# Altium PCB Digitalizador_RPi.PcbDoc (part 3 of 3)
Units mm, origin at the board's own origin, x right, y up, seen from the top; angles counter-clockwise.
Board outline 147 x 95 mm, 2 copper layers (Top Layer, Bottom Layer); 227 components, 173 nets, 747 pads, 172 vias.
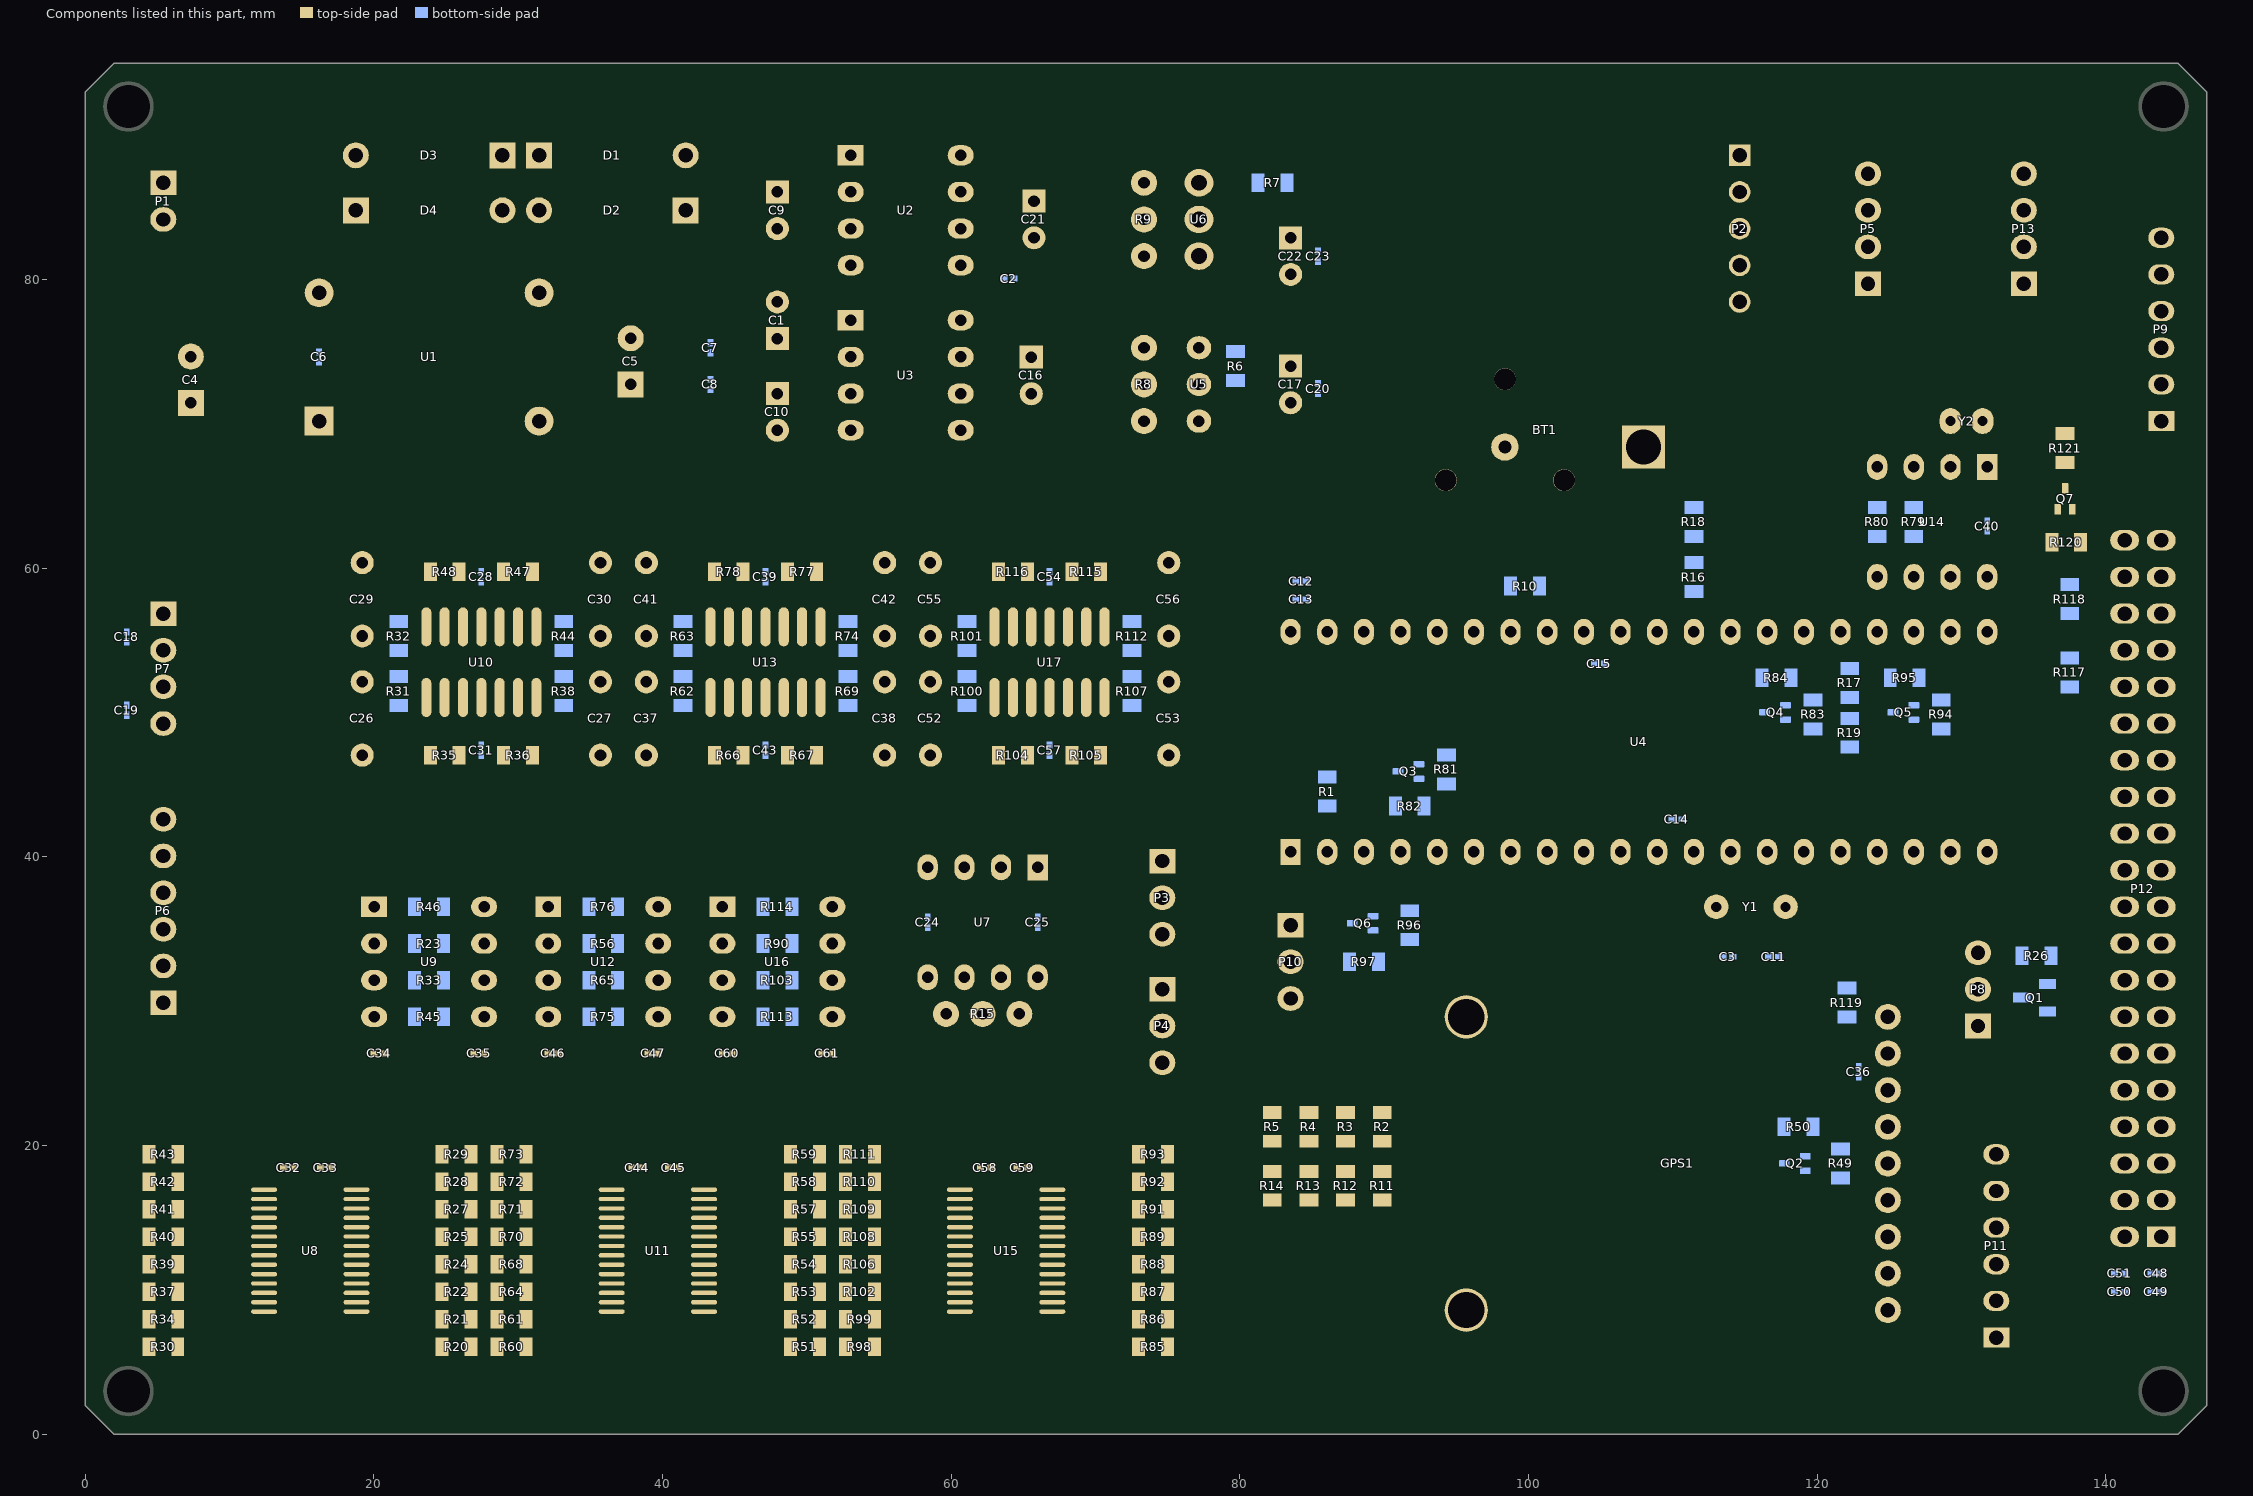
[diagram p3: the components of this part, seen from the top]

## Via types
v1: diameter 0.7, hole 0.3, Top Layer to Bottom Layer, 172 vias

## Nets (pads, with @x,y where several pads share a name; then routed paths per layer and width w, separated by ;. In a path a pad name is that pad's centre, name@x,y a point inside that pad or via, vN(x,y) a via of type N, cw(c..) or ccw(c..) an arc to the next point about the centre after c; other vN are vias at no path point) (continued)
pads on no net: BT1.2 BT1.3 BT1.4 GPS1.5 GPS1.6 GPS1.8 GPS1.9 GPS1.10 P3.1 P4.1 P8.3 P9.6 P10.3 P12.7 P12.12 P12.13 P12.15 P12.16 P12.18 P12.22 P12.26 P12.27 P12.28 P12.29 P12.31 P12.33 P12.35 P12.37 Q2.0 Q3.0 Q4.0 Q5.0 Q6.0 Q7.0 R8.2 R9.2 U2.1 U2.6 U2.7 U3.1 U3.6 U3.7 U4.10 U7.5 U7.6 U7.7 U8.2 U8.3 U8.13 U11.2 U11.3 U11.13 U15.2 U15.3 U15.13
copper on no net: | length 2272
  Top Layer w0.038: 88.093,83.535 90.455,83.535 ; 88.093,83.573 90.455,83.573 ; 88.093,83.611 90.455,83.611 ; 88.093,83.649 90.455,83.649 ; 88.093,83.687 90.455,83.687 ; 88.093,83.725 90.455,83.725 ; 88.093,83.764 90.455,83.764 ; 88.093,83.802 90.455,83.802 ; 88.093,83.84 90.455,83.84 ; 88.093,83.878 90.455,83.878 ; 88.093,83.916 90.455,83.916 ; 88.093,83.954 88.397,83.954 ; 88.093,83.992 88.359,83.992 ; 88.093,84.03 88.359,84.03 ; 88.093,84.068 88.359,84.068 ; 88.093,84.106 88.359,84.106 ; 88.093,84.145 90.455,84.145 ; 88.093,84.183 88.855,84.183 ; 88.093,84.221 88.816,84.221 ; 88.093,89.745 88.131,89.745 ; 88.093,89.783 88.131,89.783 ; 88.093,89.821 88.131,89.821 ; 88.093,89.86 88.131,89.86 ; 88.093,89.898 88.169,89.898 ; 88.093,89.936 88.131,89.936 ; 88.093,89.974 88.131,89.974 ; 88.093,90.012 92.512,90.012 ; 88.093,90.05 92.512,90.05 ; 88.093,90.088 94.531,90.088 ; 88.093,90.126 94.531,90.126 ; 88.093,90.164 94.493,90.164 ; 88.093,90.202 94.455,90.202 ; 88.093,90.241 94.417,90.241 ; 88.093,90.279 94.379,90.279 ; 88.093,90.317 94.341,90.317 ; 88.093,90.355 94.303,90.355 ; 88.093,90.393 94.265,90.393 ; 88.093,90.431 94.227,90.431 ; 88.093,90.469 94.15,90.469 ; 88.093,90.507 94.112,90.507 ; 88.093,90.545 94.074,90.545 ; 88.093,90.583 93.998,90.583 ; 88.093,90.622 93.922,90.622 ; 88.093,90.66 93.846,90.66 ; 88.093,90.698 93.769,90.698 ; 88.093,90.736 93.693,90.736 ; 88.093,90.774 93.579,90.774 ; 88.093,90.812 93.465,90.812 ; 88.093,90.85 93.274,90.85 ; 88.093,90.888 93.16,90.888 ; 88.093,90.926 92.855,90.926 ; 88.093,90.964 92.55,90.964 ; 88.169,84.259 88.816,84.259 ; 88.207,84.297 88.855,84.297 ; 88.207,89.898 88.359,89.898 ; 88.207,89.936 88.359,89.936 ; 88.207,89.974 88.588,89.974 ; 88.245,84.335 88.855,84.335 ; 88.245,89.783 88.359,89.783 ; 88.245,89.821 88.359,89.821 ; 88.245,89.86 88.359,89.86 ; 88.321,84.373 88.816,84.373 ; 88.321,84.868 88.588,84.868 ; 88.321,84.907 88.626,84.907 ; 88.359,84.602 88.588,84.602 ; 88.359,84.64 88.588,84.64 ; 88.359,84.945 88.626,84.945 ; 88.397,84.106 90.455,84.106 ; 88.397,84.411 88.816,84.411 ; 88.397,84.83 88.588,84.83 ; 88.397,84.983 88.588,84.983 ; 88.397,89.86 88.55,89.86 ; 88.397,89.898 88.588,89.898 ; 88.397,89.936 88.588,89.936 ; 88.435,83.954 90.455,83.954 ; 88.435,83.992 90.455,83.992 ; 88.435,84.03 90.455,84.03 ; 88.435,84.068 90.455,84.068 ; 88.435,84.449 88.778,84.449 ; 88.435,84.487 88.588,84.487 ; 88.435,84.526 88.626,84.526 ; 88.435,84.564 88.626,84.564 ; 88.435,84.678 88.626,84.678 ; 88.435,84.716 88.626,84.716 ; 88.435,84.754 88.626,84.754 ; 88.435,84.792 88.588,84.792 ; 88.435,89.174 88.626,89.174 ; 88.435,89.212 88.626,89.212 ; 88.435,89.25 88.588,89.25 ; 88.435,89.288 88.588,89.288 ; 88.435,89.326 88.626,89.326 ; 88.435,89.364 88.626,89.364 ; 88.435,89.402 88.588,89.402 ; 88.435,89.44 88.588,89.44 ; 88.435,89.479 88.626,89.479 ; 88.435,89.517 88.626,89.517 ; 88.435,89.555 88.626,89.555 ; 88.435,89.593 88.626,89.593 ; 88.435,89.631 88.626,89.631 ; 88.435,89.669 88.588,89.669 ; 88.435,89.707 88.588,89.707 ; 88.435,89.745 89.769,89.745 ; 88.435,89.783 88.588,89.783 ; 88.435,89.821 88.55,89.821 ; 88.474,85.021 88.512,85.021 ; 88.474,89.098 88.512,89.098 ; 88.474,89.136 88.588,89.136 ; 88.626,84.487 88.702,84.487 ; 88.626,89.669 88.702,89.669 ; 88.626,89.707 88.778,89.707 ; 88.626,89.783 89.769,89.783 ; 88.626,89.821 89.769,89.821 ; 88.664,89.86 89.502,89.86 ; 88.664,89.898 89.502,89.898 ; 88.664,89.936 90.455,89.936 ; 88.664,89.974 91.026,89.974 ; 88.816,89.669 89.769,89.669 ; 88.816,89.707 89.769,89.707 ; 88.855,89.631 89.007,89.631 ; 88.893,84.183 90.34,84.183 ; 88.893,84.221 89.769,84.221 ; 88.893,84.259 89.769,84.259 ; 88.893,84.297 89.769,84.297 ; 88.893,89.288 89.464,89.288 ; 88.893,89.326 89.464,89.326 ; 88.893,89.364 89.464,89.364 ; 88.931,84.335 89.769,84.335 ; 88.969,89.25 89.464,89.25 ; 89.007,84.373 89.54,84.373 ; 89.007,89.212 89.464,89.212 ; 89.045,84.411 89.197,84.411 ; 89.045,89.174 89.464,89.174 ; 89.045,89.402 89.464,89.402 ; 89.045,89.44 89.617,89.44 ; 89.045,89.479 89.617,89.479 ; 89.045,89.517 89.578,89.517 ; 89.045,89.555 89.54,89.555 ; 89.045,89.593 90.112,89.593 ; 89.045,89.631 89.769,89.631 ; 89.083,84.449 89.121,84.449 ; 89.083,89.136 89.464,89.136 ; 89.121,88.907 89.502,88.907 ; 89.159,88.869 89.274,88.869 ; 89.159,89.098 89.464,89.098 ; 89.197,88.945 89.502,88.945 ; 89.236,84.411 89.502,84.411 ; 89.236,84.449 89.464,84.449 ; 89.236,84.487 89.502,84.487 ; 89.236,84.526 89.769,84.526 ; 89.236,84.564 89.769,84.564 ; 89.236,88.983 89.502,88.983 ; 89.236,89.021 89.464,89.021 ; 89.236,89.059 89.464,89.059 ; 89.274,84.602 89.35,84.602 ; 89.274,88.793 89.464,88.793 ; 89.274,88.831 89.464,88.831 ; 89.312,88.755 89.426,88.755 ; 89.312,88.869 89.502,88.869 ; 89.35,88.717 89.388,88.717 ; 89.388,84.602 89.578,84.602 ; 89.426,84.64 89.578,84.64 ; 89.54,84.487 89.578,84.487 ; 89.54,89.402 89.617,89.402 ; 89.578,84.373 89.769,84.373 ; 89.578,89.86 89.731,89.86 ; 89.578,89.898 89.731,89.898 ; 89.617,84.411 89.769,84.411 ; 89.617,84.449 89.769,84.449 ; 89.617,84.487 89.769,84.487 ; 89.617,84.602 89.769,84.602 ; 89.617,84.64 89.769,84.64 ; 89.617,84.678 89.769,84.678 ; 89.617,84.716 89.769,84.716 ; 89.617,84.754 89.769,84.754 ; 89.617,89.555 89.769,89.555 ; 89.655,84.792 89.769,84.792 ; 89.655,84.83 89.769,84.83 ; 89.655,89.517 89.731,89.517 ; 89.693,84.868 89.769,84.868 ; 89.693,84.907 89.769,84.907 ; 89.807,84.221 90.34,84.221 ; 89.807,88.64 89.959,88.64 ; 89.807,88.678 89.998,88.678 ; 89.807,88.717 89.998,88.717 ; 89.807,88.755 90.036,88.755 ; 89.807,88.869 90.036,88.869 ; 89.807,88.907 90.036,88.907 ; 89.807,89.631 90.15,89.631 ; 89.807,89.669 90.15,89.669 ; 89.807,89.707 90.188,89.707 ; 89.807,89.745 90.226,89.745 ; 89.807,89.783 90.264,89.783 ; 89.807,89.821 90.264,89.821 ; 89.807,89.86 90.264,89.86 ; 89.807,89.898 90.455,89.898 ; 89.845,84.259 90.34,84.259 ; 89.845,84.297 90.302,84.297 ; 89.845,88.793 90.036,88.793 ; 89.845,88.831 90.036,88.831 ; 89.845,88.945 90.074,88.945 ; 89.845,88.983 90.074,88.983 ; 89.845,89.021 90.074,89.021 ; 89.845,89.059 90.074,89.059 ; 89.845,89.098 90.074,89.098 ; 89.845,89.288 90.074,89.288 ; 89.845,89.326 90.074,89.326 ; 89.845,89.364 90.074,89.364 ; 89.845,89.402 90.074,89.402 ; 89.845,89.44 90.074,89.44 ; 89.845,89.479 90.074,89.479 ; 89.845,89.517 90.112,89.517 ; 89.845,89.555 90.112,89.555 ; 89.883,84.335 90.34,84.335 ; 89.883,84.373 90.34,84.373 ; 89.883,84.411 90.34,84.411 ; 89.883,84.449 90.34,84.449 ; 89.883,84.487 90.34,84.487 ; 89.883,84.526 90.074,84.526 ; 89.883,84.564 90.074,84.564 ; 89.883,84.602 90.112,84.602 ; 89.883,84.64 90.112,84.64 ; 89.883,84.678 90.112,84.678 ; 89.883,84.716 90.112,84.716 ; 89.883,89.136 90.074,89.136 ; 89.883,89.174 90.074,89.174 ; 89.883,89.212 90.074,89.212 ; 89.883,89.25 90.074,89.25 ; 89.921,84.754 90.112,84.754 ; 89.921,84.792 90.074,84.792 ; 90.112,84.526 90.34,84.526 ; 90.112,84.564 90.302,84.564 ; 90.15,84.602 90.264,84.602 ; 90.15,84.64 90.264,84.64 ; 90.302,89.86 90.417,89.86 ; 90.455,87.764 91.864,87.764 ; 90.455,87.802 92.131,87.802 ; 90.455,87.84 92.245,87.84 ; 90.455,87.878 92.322,87.878 ; 90.455,87.916 92.398,87.916 ; 90.455,87.955 92.436,87.955 ; 90.455,87.993 92.474,87.993 ; 90.455,88.031 92.512,88.031 ; 90.455,88.069 92.55,88.069 ; 90.455,88.107 92.588,88.107 ; 90.455,88.145 92.588,88.145 ; 90.455,88.183 92.588,88.183 ; 90.455,88.221 92.626,88.221 ; 90.455,88.259 92.626,88.259 ; 90.455,88.297 92.284,88.297 ; 90.455,88.336 92.245,88.336 ; 90.455,88.374 92.207,88.374 ; 90.455,88.412 92.207,88.412 ; 90.455,88.45 92.207,88.45 ; 90.455,88.488 92.207,88.488 ; 90.455,88.526 92.207,88.526 ; 90.455,88.564 92.207,88.564 ; 90.455,88.602 92.207,88.602 ; 90.455,88.64 92.207,88.64 ; 90.455,88.678 92.207,88.678 ; 90.455,88.717 92.017,88.717 ; 90.455,88.755 91.979,88.755 ; 90.455,88.793 91.979,88.793 ; 90.455,88.831 91.979,88.831 ; 90.455,88.869 91.979,88.869 ; 90.455,88.907 91.979,88.907 ; 90.455,88.945 91.979,88.945 ; 90.455,88.983 91.979,88.983 ; 90.455,89.021 91.979,89.021 ; 90.455,89.059 92.017,89.059 ; 90.455,89.098 92.017,89.098 ; 90.455,89.136 91.979,89.136 ; 90.455,89.174 92.36,89.174 ; 90.493,89.898 90.95,89.898 ; 90.493,89.936 91.026,89.936 ; 90.531,89.783 90.912,89.783 ; 90.531,89.821 90.912,89.821 ; 90.531,89.86 90.95,89.86 ; 90.569,89.745 90.874,89.745 ; 90.721,89.669 90.798,89.669 ; 90.721,89.707 90.836,89.707 ; 91.293,89.783 91.941,89.783 ; 91.293,89.936 91.369,89.936 ; 91.293,89.974 91.407,89.974 ; 91.331,89.821 91.979,89.821 ; 91.369,89.745 91.598,89.745 ; 91.369,89.86 92.512,89.86 ; 91.407,89.898 92.512,89.898 ; 91.445,89.936 92.512,89.936 ; 91.445,89.974 92.512,89.974 ; 91.483,89.669 91.56,89.669 ; 91.483,89.707 91.56,89.707 ; 91.636,89.707 91.903,89.707 ; 91.636,89.745 91.903,89.745 ; 91.674,89.631 91.941,89.631 ; 91.674,89.669 91.941,89.669 ; 91.712,89.593 91.864,89.593 ; 91.941,89.555 92.398,89.555 ; 91.979,89.212 92.36,89.212 ; 91.979,89.25 92.36,89.25 ; 91.979,89.44 92.36,89.44 ; 91.979,89.517 92.398,89.517 ; 91.979,89.593 92.36,89.593 ; 91.979,89.745 92.398,89.745 ; 92.017,89.288 92.169,89.288 ; 92.017,89.326 92.169,89.326 ; 92.017,89.364 92.36,89.364 ; 92.017,89.402 92.36,89.402 ; 92.017,89.479 92.36,89.479 ; 92.017,89.631 93.122,89.631 ; 92.017,89.669 93.16,89.669 ; 92.017,89.707 92.512,89.707 ; 92.017,89.783 92.474,89.783 ; 92.017,89.821 92.474,89.821 ; 92.055,88.717 92.245,88.717 ; 92.093,88.755 92.245,88.755 ; 92.093,88.793 92.245,88.793 ; 92.093,89.136 92.36,89.136 ; 92.131,88.831 92.245,88.831 ; 92.169,88.869 92.245,88.869 ; 92.207,89.288 92.36,89.288 ; 92.207,89.326 92.36,89.326 ; 92.245,89.098 92.36,89.098 ; 92.322,89.059 92.36,89.059 ; 92.36,88.297 92.626,88.297 ; 92.36,88.793 92.588,88.793 ; 92.36,88.831 92.588,88.831 ; 92.36,88.869 92.55,88.869 ; 92.36,88.907 92.512,88.907 ; 92.36,88.945 92.512,88.945 ; 92.36,88.983 92.474,88.983 ; 92.36,89.021 92.436,89.021 ; 92.398,88.336 92.665,88.336 ; 92.398,88.374 92.665,88.374 ; 92.398,88.412 92.665,88.412 ; 92.398,88.45 92.665,88.45 ; 92.398,88.488 92.665,88.488 ; 92.398,88.526 92.665,88.526 ; 92.398,88.564 92.665,88.564 ; 92.398,88.602 92.665,88.602 ; 92.398,88.64 92.665,88.64 ; 92.398,88.678 92.626,88.678 ; 92.398,88.717 92.626,88.717 ; 92.398,88.755 92.626,88.755 ; 92.436,89.593 93.122,89.593 ; 92.436,89.745 92.474,89.745 ; 92.55,89.86 94.722,89.86 ; 92.55,89.898 94.684,89.898 ; 92.55,90.05 94.57,90.05 ; 92.588,84.221 94.951,84.221 ; 92.588,84.259 94.951,84.259 ; 92.588,84.297 93.465,84.297 ; 92.588,84.335 93.388,84.335 ; 92.588,84.373 93.198,84.373 ; 92.588,84.411 93.236,84.411 ; 92.588,84.449 93.16,84.449 ; 92.588,85.326 92.779,85.326 ; 92.588,85.364 92.779,85.364 ; 92.588,85.402 92.779,85.402 ; 92.588,85.44 92.779,85.44 ; 92.588,85.478 92.741,85.478 ; 92.588,85.516 92.741,85.516 ; 92.588,89.821 94.722,89.821 ; 92.588,89.936 94.646,89.936 ; 92.588,90.012 92.665,90.012 ; 92.626,83.878 94.989,83.878 ; 92.626,83.916 94.989,83.916 ; 92.626,83.954 94.989,83.954 ; 92.626,83.992 94.951,83.992 ; 92.626,84.03 94.951,84.03 ; 92.626,84.068 94.951,84.068 ; 92.626,84.106 94.951,84.106 ; 92.626,84.145 94.951,84.145 ; 92.626,84.183 94.951,84.183 ; 92.626,85.288 92.779,85.288 ; 92.626,85.554 92.741,85.554 ; 92.626,89.707 93.198,89.707 ; 92.626,89.783 94.722,89.783 ; 92.665,83.649 95.179,83.649 ; 92.665,83.687 95.179,83.687 ; 92.665,83.725 95.179,83.725 ; 92.665,83.764 95.141,83.764 ; 92.665,83.802 95.027,83.802 ; 92.665,83.84 94.989,83.84 ; 92.665,84.487 93.122,84.487 ; 92.665,84.526 93.084,84.526 ; 92.665,84.564 93.046,84.564 ; 92.665,84.602 92.779,84.602 ; 92.665,84.64 92.779,84.64 ; 92.665,84.678 92.779,84.678 ; 92.665,84.716 92.779,84.716 ; 92.665,84.754 92.779,84.754 ; 92.665,84.792 92.779,84.792 ; 92.665,84.83 92.779,84.83 ; 92.665,84.868 92.779,84.868 ; 92.665,84.907 92.817,84.907 ; 92.665,84.945 92.817,84.945 ; 92.665,84.983 92.817,84.983 ; 92.665,85.021 92.817,85.021 ; 92.665,85.059 92.817,85.059 ; 92.665,85.097 92.817,85.097 ; 92.665,85.135 92.817,85.135 ; 92.665,85.173 92.817,85.173 ; 92.665,85.211 92.779,85.211 ; 92.665,85.249 92.779,85.249 ; 92.665,89.745 94.76,89.745 ; 92.703,83.535 95.179,83.535 ; 92.703,83.573 95.179,83.573 ; 92.703,83.611 95.179,83.611 ; 92.703,89.136 93.122,89.136 ; 92.703,89.174 93.122,89.174 ; 92.703,89.212 93.122,89.212 ; 92.703,89.25 93.16,89.25 ; 92.741,88.869 92.855,88.869 ; 92.741,88.907 92.893,88.907 ; 92.741,88.945 92.893,88.945 ; 92.741,88.983 93.122,88.983 ; 92.741,89.021 93.122,89.021 ; 92.741,89.059 93.122,89.059 ; 92.741,89.098 93.122,89.098 ; 92.741,89.288 93.16,89.288 ; 92.741,89.326 93.16,89.326 ; 92.741,89.364 93.122,89.364 ; 92.741,89.402 93.122,89.402 ; 92.741,89.44 93.122,89.44 ; 92.741,89.479 93.122,89.479 ; 92.741,89.517 93.122,89.517 ; 92.741,89.555 93.122,89.555 ; 92.741,89.974 94.646,89.974 ; 92.741,90.012 94.608,90.012 ; 92.779,88.831 92.817,88.831 ; 92.817,84.602 93.046,84.602 ; 92.817,84.64 93.046,84.64 ; 92.817,84.678 93.046,84.678 ; 92.855,84.716 93.122,84.716 ; 92.855,84.754 93.198,84.754 ; 92.855,84.792 93.236,84.792 ; 92.893,84.83 93.198,84.83 ; 92.893,84.868 93.16,84.868 ; 92.893,84.907 93.122,84.907 ; 92.931,84.945 93.046,84.945 ; 92.931,84.983 93.046,84.983 ; 92.931,85.021 93.046,85.021 ; 92.931,85.059 93.046,85.059 ; 92.931,88.793 93.122,88.793 ; 92.931,88.831 93.122,88.831 ; 92.931,88.869 93.122,88.869 ; 92.931,88.907 93.122,88.907 ; 92.931,88.945 93.122,88.945 ; 92.969,85.097 93.046,85.097 ; 92.969,85.135 93.007,85.135 ; 92.969,87.878 93.046,87.878 ; 92.969,87.916 93.046,87.916 ; 92.969,87.955 93.046,87.955 ; 92.969,87.993 93.084,87.993 ; 92.969,88.031 93.084,88.031 ; 92.969,88.069 93.084,88.069 ; 92.969,88.107 93.084,88.107 ; 92.969,88.145 93.122,88.145 ; 92.969,88.183 93.122,88.183 ; 92.969,88.221 93.122,88.221 ; 92.969,88.259 93.122,88.259 ; 92.969,88.297 93.16,88.297 ; 92.969,88.336 93.16,88.336 ; 92.969,88.374 93.16,88.374 ; 92.969,88.412 93.16,88.412 ; 92.969,88.45 93.16,88.45 ; 92.969,88.488 93.16,88.488 ; 92.969,88.526 93.16,88.526 ; 92.969,88.564 93.16,88.564 ; 92.969,88.602 93.16,88.602 ; 92.969,88.64 93.16,88.64 ; 92.969,88.678 93.16,88.678 ; 92.969,88.717 93.16,88.717 ; 92.969,88.755 93.122,88.755 ; 93.007,87.84 93.046,87.84 ; 93.16,88.983 94.912,88.983 ; 93.16,89.021 94.912,89.021 ; 93.16,89.059 94.912,89.059 ; 93.16,89.098 94.912,89.098 ; 93.198,88.945 94.15,88.945 ; 93.198,89.136 94.912,89.136 ; 93.198,89.593 94.836,89.593 ; 93.236,88.678 94.074,88.678 ; 93.236,88.717 94.074,88.717 ; 93.236,88.907 94.112,88.907 ; 93.236,89.631 94.798,89.631 ; 93.236,89.669 94.798,89.669 ; 93.236,89.707 94.76,89.707 ; 93.274,88.64 94.074,88.64 ; 93.274,88.869 94.074,88.869 ; 93.274,89.174 94.912,89.174 ; 93.274,89.555 94.836,89.555 ; 93.312,88.602 94.112,88.602 ; 93.312,88.755 94.074,88.755 ; 93.312,89.212 94.912,89.212 ; 93.312,89.25 94.912,89.25 ; 93.312,89.288 94.912,89.288 ; 93.312,89.326 94.874,89.326 ; 93.312,89.479 94.836,89.479 ; 93.312,89.517 94.836,89.517 ; 93.35,88.564 94.112,88.564 ; 93.35,88.793 94.074,88.793 ; 93.35,88.831 94.074,88.831 ; 93.35,89.364 94.874,89.364 ; 93.35,89.402 94.874,89.402 ; 93.35,89.44 94.874,89.44 ; 93.388,88.488 94.417,88.488 ; 93.388,88.526 94.417,88.526 ; 93.427,88.45 94.074,88.45 ; 93.465,88.336 93.922,88.336 ; 93.465,88.374 93.769,88.374 ; 93.465,88.412 93.731,88.412 ; 93.503,84.297 94.189,84.297 ; 93.503,84.335 94.189,84.335 ; 93.503,87.726 93.579,87.726 ; 93.503,87.764 93.579,87.764 ; 93.503,87.802 93.617,87.802 ; 93.503,87.84 93.617,87.84 ; 93.503,87.878 93.655,87.878 ; 93.503,88.183 93.769,88.183 ; 93.503,88.221 93.731,88.221 ; 93.503,88.259 93.731,88.259 ; 93.503,88.297 93.769,88.297 ; 93.541,84.373 94.951,84.373 ; 93.541,84.411 94.189,84.411 ; 93.541,84.449 94.189,84.449 ; 93.541,85.021 94.189,85.021 ; 93.541,85.059 94.189,85.059 ; 93.541,85.211 94.189,85.211 ; 93.541,85.249 94.189,85.249 ; 93.541,85.288 94.189,85.288 ; 93.541,85.326 94.189,85.326 ; 93.541,85.364 93.808,85.364 ; 93.541,85.402 93.808,85.402 ; 93.541,87.916 93.655,87.916 ; 93.541,87.955 93.731,87.955 ; 93.541,87.993 93.808,87.993 ; 93.541,88.031 93.846,88.031 ; 93.541,88.069 93.884,88.069 ; 93.541,88.107 93.922,88.107 ; 93.541,88.145 93.922,88.145 ; 93.579,84.487 94.189,84.487 ; 93.579,84.526 94.493,84.526 ; 93.579,84.564 94.493,84.564 ; 93.579,84.602 94.227,84.602 ; 93.579,84.907 94.189,84.907 ; 93.579,84.945 94.189,84.945 ; 93.579,84.983 94.189,84.983 ; 93.579,85.097 94.189,85.097 ; 93.579,85.135 94.189,85.135 ; 93.579,85.173 94.189,85.173 ; 93.579,85.44 94.189,85.44 ; 93.579,85.478 93.769,85.478 ; 93.617,84.64 94.227,84.64 ; 93.617,84.678 94.189,84.678 ; 93.617,84.716 94.189,84.716 ; 93.617,84.754 94.189,84.754 ; 93.617,84.792 94.189,84.792 ; 93.617,84.83 94.189,84.83 ; 93.617,84.868 94.189,84.868 ; 93.617,85.516 93.731,85.516 ; 93.617,85.554 93.731,85.554 ; 93.769,88.412 94.074,88.412 ; 93.808,85.478 94.189,85.478 ; 93.808,85.516 94.189,85.516 ; 93.808,85.554 94.189,85.554 ; 93.808,85.592 94.189,85.592 ; 93.808,85.63 94.189,85.63 ; 93.808,85.669 94.189,85.669 ; 93.808,85.707 94.189,85.707 ; 93.808,88.374 93.922,88.374 ; 93.846,85.364 94.189,85.364 ; 93.846,85.402 94.189,85.402 ; 93.846,85.745 93.998,85.745 ; 93.846,85.783 93.998,85.783 ; 93.846,85.821 93.96,85.821 ; 93.846,88.259 93.922,88.259 ; 93.846,88.297 93.922,88.297 ; 93.884,85.859 93.96,85.859 ; 93.884,85.897 93.96,85.897 ; 93.998,86.126 94.189,86.126 ; 93.998,86.164 94.189,86.164 ; 93.998,86.202 94.189,86.202 ; 93.998,86.24 94.189,86.24 ; 94.036,85.745 94.189,85.745 ; 94.036,85.783 94.189,85.783 ; 94.036,85.821 94.189,85.821 ; 94.036,85.859 94.189,85.859 ; 94.036,85.897 94.189,85.897 ; 94.036,85.935 94.189,85.935 ; 94.036,85.973 94.189,85.973 ; 94.036,86.011 94.189,86.011 ; 94.036,86.05 94.189,86.05 ; 94.036,86.088 94.189,86.088 ; 94.036,86.278 94.189,86.278 ; 94.036,86.316 94.227,86.316 ; 94.036,86.354 94.227,86.354 ; 94.036,86.392 94.189,86.392 ; 94.036,86.431 94.189,86.431 ; 94.074,86.469 94.189,86.469 ; 94.112,87.802 94.265,87.802 ; 94.112,87.84 94.265,87.84 ; 94.112,88.336 94.455,88.336 ; 94.112,88.374 94.455,88.374 ; 94.15,87.878 94.303,87.878 ; 94.15,87.916 94.303,87.916 ; 94.15,87.955 94.303,87.955 ; 94.15,87.993 94.303,87.993 ; 94.15,88.107 94.455,88.107 ; 94.15,88.145 94.455,88.145 ; 94.15,88.297 94.455,88.297 ; 94.15,88.412 94.455,88.412 ; 94.15,88.45 94.417,88.45 ; 94.15,88.64 94.417,88.64 ; 94.15,88.678 94.455,88.678 ; 94.189,88.031 94.417,88.031 ; 94.189,88.069 94.455,88.069 ; 94.189,88.183 94.455,88.183 ; 94.189,88.564 94.417,88.564 ; 94.189,88.602 94.417,88.602 ; 94.189,88.717 94.455,88.717 ; 94.189,88.755 94.493,88.755 ; 94.189,88.793 94.531,88.793 ; 94.189,88.831 94.912,88.831 ; 94.189,88.869 94.912,88.869 ; 94.189,88.907 94.912,88.907 ; 94.189,88.945 94.912,88.945 ; 94.227,88.221 94.455,88.221 ; 94.227,88.259 94.455,88.259 ; 94.265,84.297 94.951,84.297 ; 94.265,84.335 94.951,84.335 ; 94.265,84.411 94.951,84.411 ; 94.265,84.449 94.951,84.449 ; 94.265,84.487 94.951,84.487 ; 94.265,84.602 94.455,84.602 ; 94.265,84.64 94.455,84.64 ; 94.265,84.678 94.455,84.678 ; 94.265,84.716 94.455,84.716 ; 94.265,84.754 94.455,84.754 ; 94.265,84.792 94.455,84.792 ; 94.265,84.83 94.493,84.83 ; 94.265,84.868 94.493,84.868 ; 94.265,84.907 94.493,84.907 ; 94.265,84.945 94.493,84.945 ; 94.265,84.983 94.531,84.983 ; 94.265,85.021 94.531,85.021 ; 94.265,85.935 94.455,85.935 ; 94.265,85.973 94.455,85.973 ; 94.265,86.011 94.455,86.011 ; 94.265,86.05 94.417,86.05 ; 94.265,86.088 94.417,86.088 ; 94.265,86.126 94.417,86.126 ; 94.265,86.164 94.417,86.164 ; 94.265,86.202 94.417,86.202 ; 94.265,86.24 94.417,86.24 ; 94.303,85.059 94.531,85.059 ; 94.303,85.097 94.531,85.097 ; 94.303,85.135 94.531,85.135 ; 94.303,85.173 94.493,85.173 ; 94.303,85.211 94.493,85.211 ; 94.303,85.249 94.493,85.249 ; 94.303,85.288 94.493,85.288 ; 94.303,85.326 94.493,85.326 ; 94.303,85.364 94.493,85.364 ; 94.303,85.402 94.493,85.402 ; 94.303,85.44 94.455,85.44 ; 94.303,85.478 94.455,85.478 ; 94.303,85.516 94.493,85.516 ; 94.303,85.554 94.493,85.554 ; 94.303,85.592 94.493,85.592 ; 94.303,85.63 94.493,85.63 ; 94.303,85.669 94.493,85.669 ; 94.303,85.707 94.493,85.707 ; 94.303,85.745 94.455,85.745 ; 